# Altium PCB openservo_tessellated.PcbDoc (part 1 of 13) (continued)
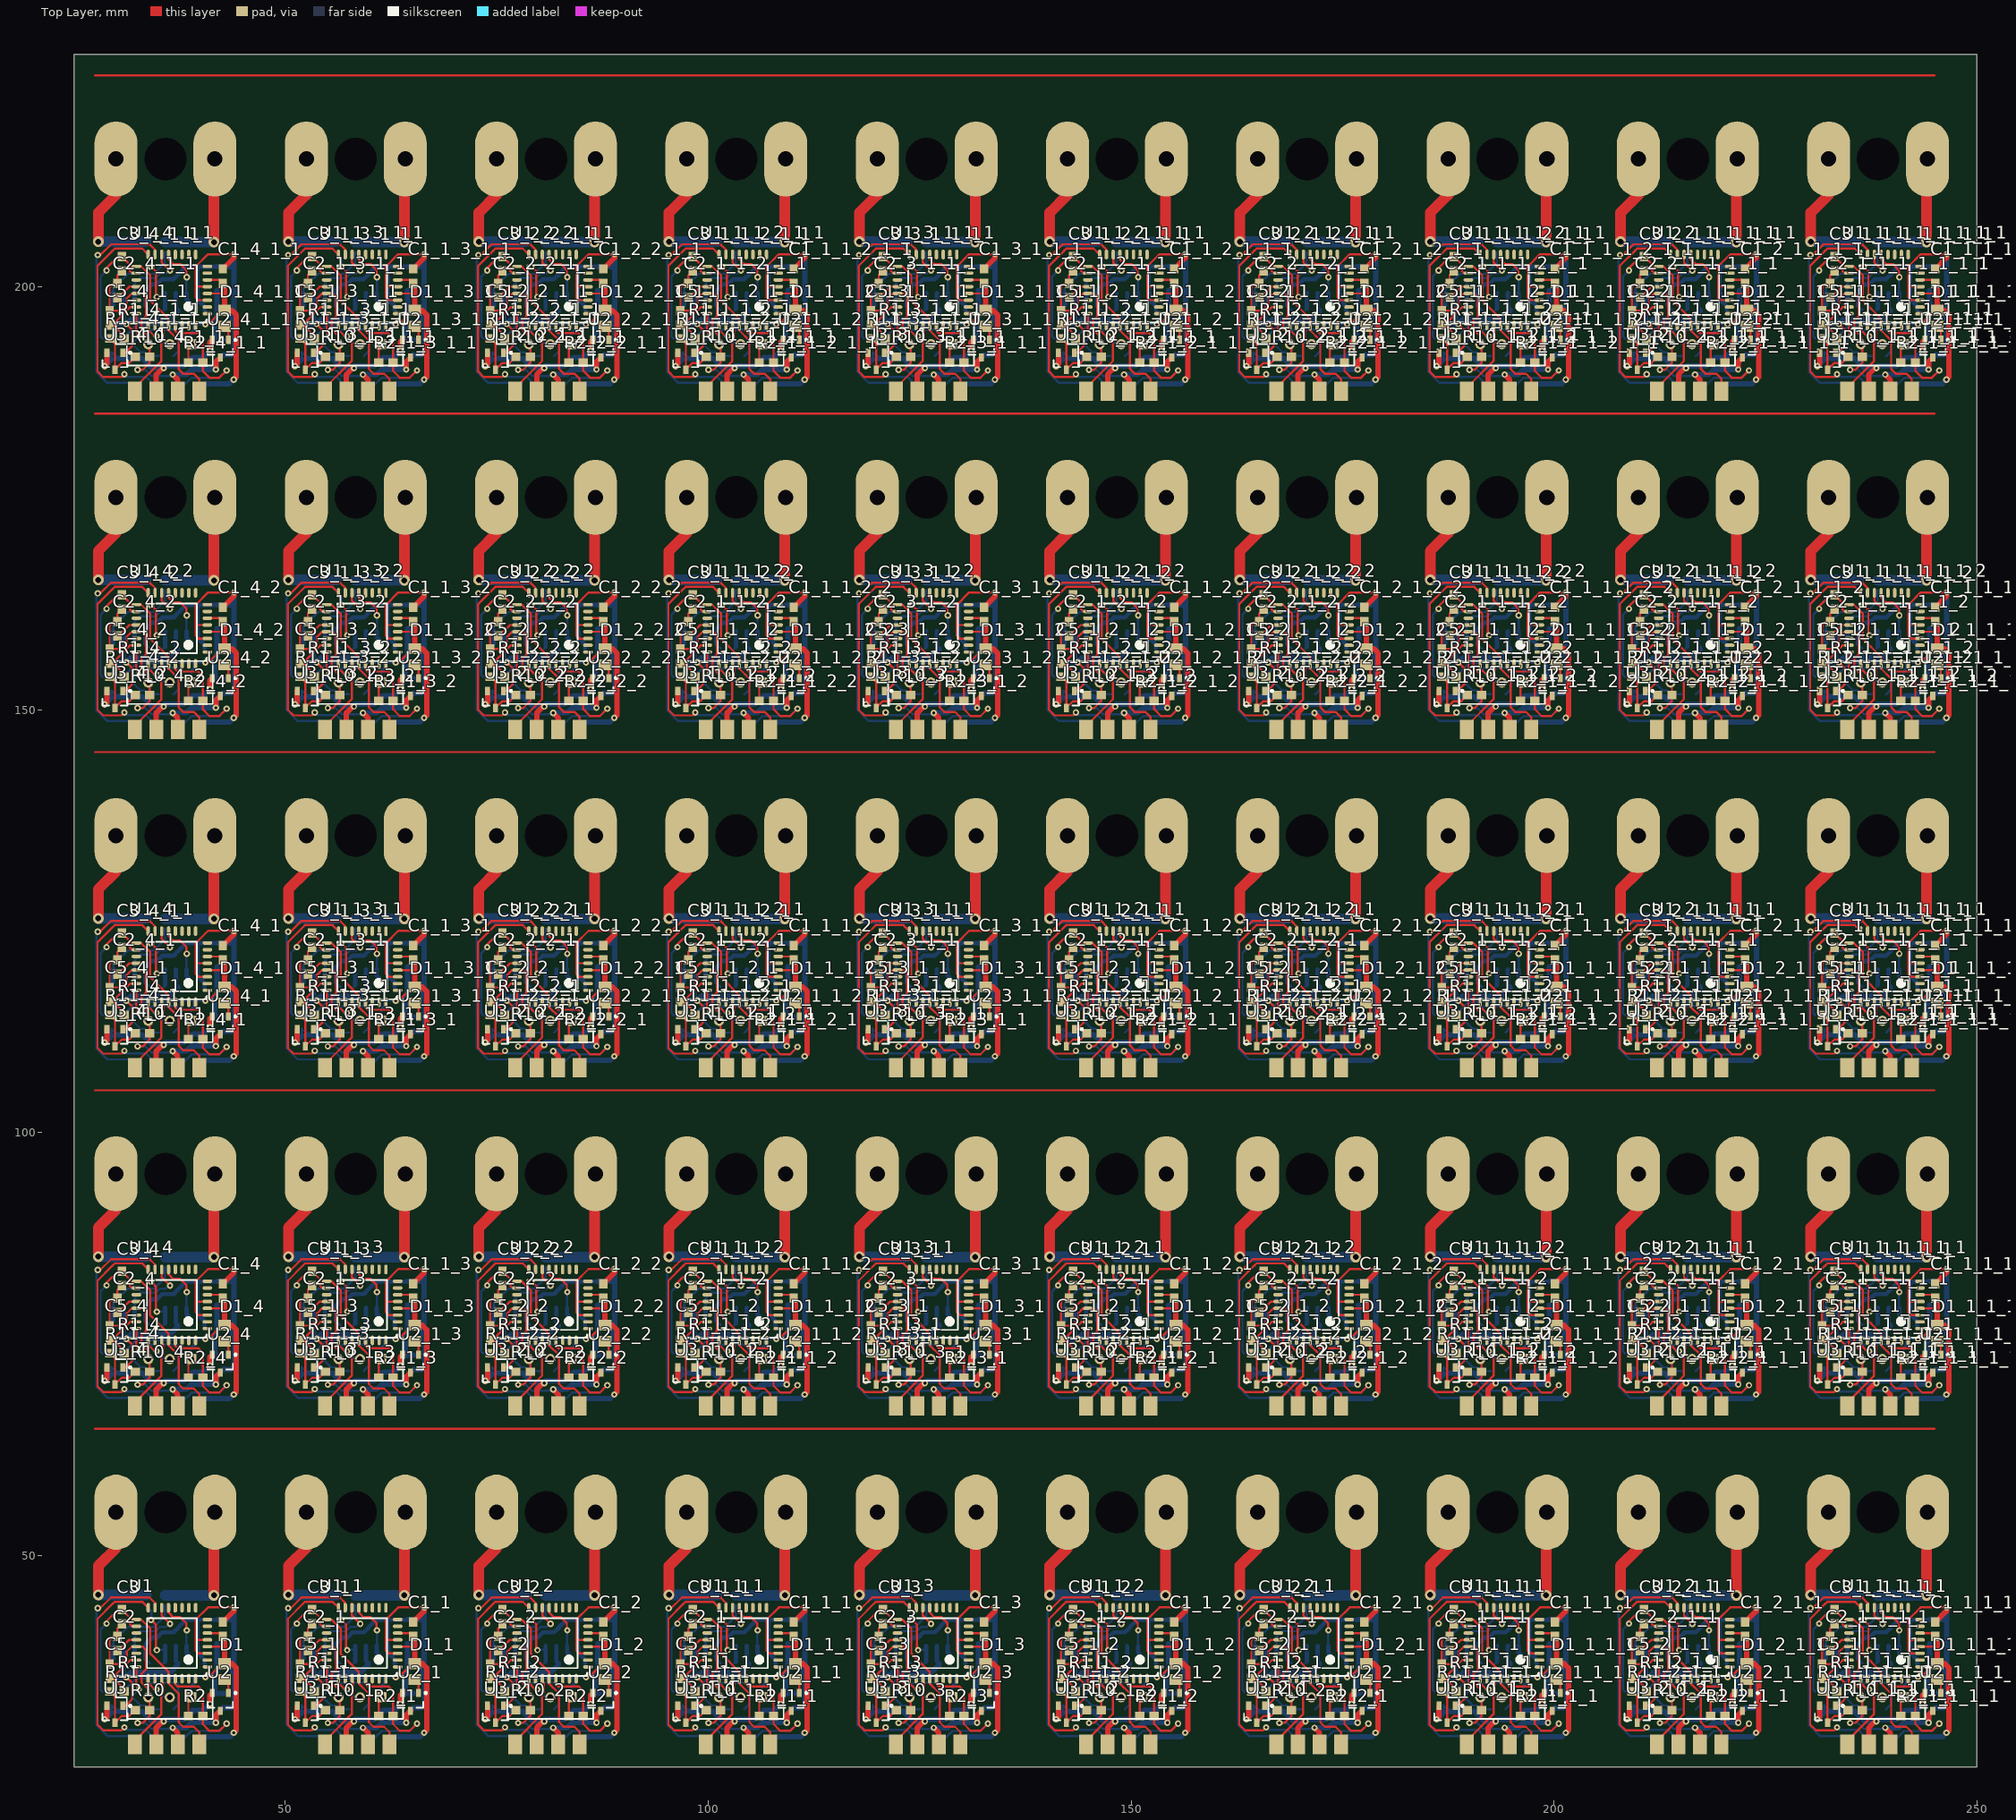
[diagram p0: Top Layer view]
## Components (designator, comment, footprint, x,y, rotation, side; value= is the part's Value field where it differs from the comment) (continued)
C4_4_1_1 "Cap" J1-0603 38.303,194.595 r180 bottom (schematic designator C4)
C4_4_2 "Cap" J1-0603 38.303,154.595 r180 bottom (schematic designator C4)
C5 "Cap" J1-0603 29.21,36.322 r90 top
C5_1 "Cap" J1-0603 51.71,36.322 r90 top (schematic designator C5)
C5_1_1 "Cap" J1-0603 96.71,36.322 r90 top (schematic designator C5)
C5_1_1_1 "Cap" J1-0603 186.71,36.322 r90 top (schematic designator C5)
C5_1_1_1_1 "Cap" J1-0603 231.71,36.322 r90 top (schematic designator C5)
C5_1_1_1_1_1 "Cap" J1-0603 231.71,76.322 r90 top (schematic designator C5)
C5_1_1_1_1_1_1 "Cap" J1-0603 231.71,116.322 r90 top (schematic designator C5)
C5_1_1_1_1_1_1_1 "Cap" J1-0603 231.71,196.322 r90 top (schematic designator C5)
C5_1_1_1_1_1_2 "Cap" J1-0603 231.71,156.322 r90 top (schematic designator C5)
C5_1_1_1_2 "Cap" J1-0603 186.71,76.322 r90 top (schematic designator C5)
C5_1_1_1_2_1 "Cap" J1-0603 186.71,116.322 r90 top (schematic designator C5)
C5_1_1_1_2_1_1 "Cap" J1-0603 186.71,196.322 r90 top (schematic designator C5)
C5_1_1_1_2_2 "Cap" J1-0603 186.71,156.322 r90 top (schematic designator C5)
C5_1_1_2 "Cap" J1-0603 96.71,76.322 r90 top (schematic designator C5)
C5_1_1_2_1 "Cap" J1-0603 96.71,116.322 r90 top (schematic designator C5)
C5_1_1_2_1_1 "Cap" J1-0603 96.71,196.322 r90 top (schematic designator C5)
C5_1_1_2_2 "Cap" J1-0603 96.71,156.322 r90 top (schematic designator C5)
C5_1_2 "Cap" J1-0603 141.71,36.322 r90 top (schematic designator C5)
C5_1_2_1 "Cap" J1-0603 141.71,76.322 r90 top (schematic designator C5)
C5_1_2_1_1 "Cap" J1-0603 141.71,116.322 r90 top (schematic designator C5)
C5_1_2_1_1_1 "Cap" J1-0603 141.71,196.322 r90 top (schematic designator C5)
C5_1_2_1_2 "Cap" J1-0603 141.71,156.322 r90 top (schematic designator C5)
C5_1_3 "Cap" J1-0603 51.71,76.322 r90 top (schematic designator C5)
C5_1_3_1 "Cap" J1-0603 51.71,116.322 r90 top (schematic designator C5)
C5_1_3_1_1 "Cap" J1-0603 51.71,196.322 r90 top (schematic designator C5)
C5_1_3_2 "Cap" J1-0603 51.71,156.322 r90 top (schematic designator C5)
C5_2 "Cap" J1-0603 74.21,36.322 r90 top (schematic designator C5)
C5_2_1 "Cap" J1-0603 164.21,36.322 r90 top (schematic designator C5)
C5_2_1_1 "Cap" J1-0603 209.21,36.322 r90 top (schematic designator C5)
C5_2_1_1_1 "Cap" J1-0603 209.21,76.322 r90 top (schematic designator C5)
C5_2_1_1_1_1 "Cap" J1-0603 209.21,116.322 r90 top (schematic designator C5)
C5_2_1_1_1_1_1 "Cap" J1-0603 209.21,196.322 r90 top (schematic designator C5)
C5_2_1_1_1_2 "Cap" J1-0603 209.21,156.322 r90 top (schematic designator C5)
C5_2_1_2 "Cap" J1-0603 164.21,76.322 r90 top (schematic designator C5)
C5_2_1_2_1 "Cap" J1-0603 164.21,116.322 r90 top (schematic designator C5)
C5_2_1_2_1_1 "Cap" J1-0603 164.21,196.322 r90 top (schematic designator C5)
C5_2_1_2_2 "Cap" J1-0603 164.21,156.322 r90 top (schematic designator C5)
C5_2_2 "Cap" J1-0603 74.21,76.322 r90 top (schematic designator C5)
C5_2_2_1 "Cap" J1-0603 74.21,116.322 r90 top (schematic designator C5)
C5_2_2_1_1 "Cap" J1-0603 74.21,196.322 r90 top (schematic designator C5)
C5_2_2_2 "Cap" J1-0603 74.21,156.322 r90 top (schematic designator C5)
C5_3 "Cap" J1-0603 119.21,36.322 r90 top (schematic designator C5)
C5_3_1 "Cap" J1-0603 119.21,76.322 r90 top (schematic designator C5)
C5_3_1_1 "Cap" J1-0603 119.21,116.322 r90 top (schematic designator C5)
C5_3_1_1_1 "Cap" J1-0603 119.21,196.322 r90 top (schematic designator C5)
C5_3_1_2 "Cap" J1-0603 119.21,156.322 r90 top (schematic designator C5)
C5_4 "Cap" J1-0603 29.21,76.322 r90 top (schematic designator C5)
C5_4_1 "Cap" J1-0603 29.21,116.322 r90 top (schematic designator C5)
C5_4_1_1 "Cap" J1-0603 29.21,196.322 r90 top (schematic designator C5)
C5_4_2 "Cap" J1-0603 29.21,156.322 r90 top (schematic designator C5)
C6 "Cap" J1-0603 42.774,36.347 r0 bottom
C6_1 "Cap" J1-0603 65.274,36.347 r0 bottom (schematic designator C6)
C6_1_1 "Cap" J1-0603 110.274,36.347 r0 bottom (schematic designator C6)
C6_1_1_1 "Cap" J1-0603 200.274,36.347 r0 bottom (schematic designator C6)
C6_1_1_1_1 "Cap" J1-0603 245.274,36.347 r0 bottom (schematic designator C6)
C6_1_1_1_1_1 "Cap" J1-0603 245.274,76.347 r0 bottom (schematic designator C6)
C6_1_1_1_1_1_1 "Cap" J1-0603 245.274,116.347 r0 bottom (schematic designator C6)
C6_1_1_1_1_1_1_1 "Cap" J1-0603 245.274,196.347 r0 bottom (schematic designator C6)
C6_1_1_1_1_1_2 "Cap" J1-0603 245.274,156.347 r0 bottom (schematic designator C6)
C6_1_1_1_2 "Cap" J1-0603 200.274,76.347 r0 bottom (schematic designator C6)
C6_1_1_1_2_1 "Cap" J1-0603 200.274,116.347 r0 bottom (schematic designator C6)
C6_1_1_1_2_1_1 "Cap" J1-0603 200.274,196.347 r0 bottom (schematic designator C6)
C6_1_1_1_2_2 "Cap" J1-0603 200.274,156.347 r0 bottom (schematic designator C6)
C6_1_1_2 "Cap" J1-0603 110.274,76.347 r0 bottom (schematic designator C6)
C6_1_1_2_1 "Cap" J1-0603 110.274,116.347 r0 bottom (schematic designator C6)
C6_1_1_2_1_1 "Cap" J1-0603 110.274,196.347 r0 bottom (schematic designator C6)
C6_1_1_2_2 "Cap" J1-0603 110.274,156.347 r0 bottom (schematic designator C6)
C6_1_2 "Cap" J1-0603 155.274,36.347 r0 bottom (schematic designator C6)
C6_1_2_1 "Cap" J1-0603 155.274,76.347 r0 bottom (schematic designator C6)
C6_1_2_1_1 "Cap" J1-0603 155.274,116.347 r0 bottom (schematic designator C6)
C6_1_2_1_1_1 "Cap" J1-0603 155.274,196.347 r0 bottom (schematic designator C6)
C6_1_2_1_2 "Cap" J1-0603 155.274,156.347 r0 bottom (schematic designator C6)
C6_1_3 "Cap" J1-0603 65.274,76.347 r0 bottom (schematic designator C6)
C6_1_3_1 "Cap" J1-0603 65.274,116.347 r0 bottom (schematic designator C6)
C6_1_3_1_1 "Cap" J1-0603 65.274,196.347 r0 bottom (schematic designator C6)
C6_1_3_2 "Cap" J1-0603 65.274,156.347 r0 bottom (schematic designator C6)
C6_2 "Cap" J1-0603 87.774,36.347 r0 bottom (schematic designator C6)
C6_2_1 "Cap" J1-0603 177.774,36.347 r0 bottom (schematic designator C6)
C6_2_1_1 "Cap" J1-0603 222.774,36.347 r0 bottom (schematic designator C6)
C6_2_1_1_1 "Cap" J1-0603 222.774,76.347 r0 bottom (schematic designator C6)
C6_2_1_1_1_1 "Cap" J1-0603 222.774,116.347 r0 bottom (schematic designator C6)
C6_2_1_1_1_1_1 "Cap" J1-0603 222.774,196.347 r0 bottom (schematic designator C6)
C6_2_1_1_1_2 "Cap" J1-0603 222.774,156.347 r0 bottom (schematic designator C6)
C6_2_1_2 "Cap" J1-0603 177.774,76.347 r0 bottom (schematic designator C6)
C6_2_1_2_1 "Cap" J1-0603 177.774,116.347 r0 bottom (schematic designator C6)
C6_2_1_2_1_1 "Cap" J1-0603 177.774,196.347 r0 bottom (schematic designator C6)
C6_2_1_2_2 "Cap" J1-0603 177.774,156.347 r0 bottom (schematic designator C6)
C6_2_2 "Cap" J1-0603 87.774,76.347 r0 bottom (schematic designator C6)
C6_2_2_1 "Cap" J1-0603 87.774,116.347 r0 bottom (schematic designator C6)
C6_2_2_1_1 "Cap" J1-0603 87.774,196.347 r0 bottom (schematic designator C6)
C6_2_2_2 "Cap" J1-0603 87.774,156.347 r0 bottom (schematic designator C6)
C6_3 "Cap" J1-0603 132.774,36.347 r0 bottom (schematic designator C6)
C6_3_1 "Cap" J1-0603 132.774,76.347 r0 bottom (schematic designator C6)
C6_3_1_1 "Cap" J1-0603 132.774,116.347 r0 bottom (schematic designator C6)
C6_3_1_1_1 "Cap" J1-0603 132.774,196.347 r0 bottom (schematic designator C6)
C6_3_1_2 "Cap" J1-0603 132.774,156.347 r0 bottom (schematic designator C6)
C6_4 "Cap" J1-0603 42.774,76.347 r0 bottom (schematic designator C6)
C6_4_1 "Cap" J1-0603 42.774,116.347 r0 bottom (schematic designator C6)
C6_4_1_1 "Cap" J1-0603 42.774,196.347 r0 bottom (schematic designator C6)
C6_4_2 "Cap" J1-0603 42.774,156.347 r0 bottom (schematic designator C6)
C7 "Cap" J1-0603 42.672,32.842 r270 bottom
C7_1 "Cap" J1-0603 65.172,32.842 r270 bottom (schematic designator C7)
C7_1_1 "Cap" J1-0603 110.172,32.842 r270 bottom (schematic designator C7)
C7_1_1_1 "Cap" J1-0603 200.172,32.842 r270 bottom (schematic designator C7)
C7_1_1_1_1 "Cap" J1-0603 245.172,32.842 r270 bottom (schematic designator C7)
C7_1_1_1_1_1 "Cap" J1-0603 245.172,72.842 r270 bottom (schematic designator C7)
C7_1_1_1_1_1_1 "Cap" J1-0603 245.172,112.842 r270 bottom (schematic designator C7)
C7_1_1_1_1_1_1_1 "Cap" J1-0603 245.172,192.842 r270 bottom (schematic designator C7)
C7_1_1_1_1_1_2 "Cap" J1-0603 245.172,152.842 r270 bottom (schematic designator C7)
C7_1_1_1_2 "Cap" J1-0603 200.172,72.842 r270 bottom (schematic designator C7)
C7_1_1_1_2_1 "Cap" J1-0603 200.172,112.842 r270 bottom (schematic designator C7)
C7_1_1_1_2_1_1 "Cap" J1-0603 200.172,192.842 r270 bottom (schematic designator C7)
C7_1_1_1_2_2 "Cap" J1-0603 200.172,152.842 r270 bottom (schematic designator C7)
C7_1_1_2 "Cap" J1-0603 110.172,72.842 r270 bottom (schematic designator C7)
C7_1_1_2_1 "Cap" J1-0603 110.172,112.842 r270 bottom (schematic designator C7)
C7_1_1_2_1_1 "Cap" J1-0603 110.172,192.842 r270 bottom (schematic designator C7)
C7_1_1_2_2 "Cap" J1-0603 110.172,152.842 r270 bottom (schematic designator C7)
C7_1_2 "Cap" J1-0603 155.172,32.842 r270 bottom (schematic designator C7)
C7_1_2_1 "Cap" J1-0603 155.172,72.842 r270 bottom (schematic designator C7)
C7_1_2_1_1 "Cap" J1-0603 155.172,112.842 r270 bottom (schematic designator C7)
C7_1_2_1_1_1 "Cap" J1-0603 155.172,192.842 r270 bottom (schematic designator C7)
C7_1_2_1_2 "Cap" J1-0603 155.172,152.842 r270 bottom (schematic designator C7)
C7_1_3 "Cap" J1-0603 65.172,72.842 r270 bottom (schematic designator C7)
C7_1_3_1 "Cap" J1-0603 65.172,112.842 r270 bottom (schematic designator C7)
C7_1_3_1_1 "Cap" J1-0603 65.172,192.842 r270 bottom (schematic designator C7)
C7_1_3_2 "Cap" J1-0603 65.172,152.842 r270 bottom (schematic designator C7)
C7_2 "Cap" J1-0603 87.672,32.842 r270 bottom (schematic designator C7)
C7_2_1 "Cap" J1-0603 177.672,32.842 r270 bottom (schematic designator C7)
C7_2_1_1 "Cap" J1-0603 222.672,32.842 r270 bottom (schematic designator C7)
C7_2_1_1_1 "Cap" J1-0603 222.672,72.842 r270 bottom (schematic designator C7)
C7_2_1_1_1_1 "Cap" J1-0603 222.672,112.842 r270 bottom (schematic designator C7)
C7_2_1_1_1_1_1 "Cap" J1-0603 222.672,192.842 r270 bottom (schematic designator C7)
C7_2_1_1_1_2 "Cap" J1-0603 222.672,152.842 r270 bottom (schematic designator C7)
C7_2_1_2 "Cap" J1-0603 177.672,72.842 r270 bottom (schematic designator C7)
C7_2_1_2_1 "Cap" J1-0603 177.672,112.842 r270 bottom (schematic designator C7)
C7_2_1_2_1_1 "Cap" J1-0603 177.672,192.842 r270 bottom (schematic designator C7)
C7_2_1_2_2 "Cap" J1-0603 177.672,152.842 r270 bottom (schematic designator C7)
C7_2_2 "Cap" J1-0603 87.672,72.842 r270 bottom (schematic designator C7)
C7_2_2_1 "Cap" J1-0603 87.672,112.842 r270 bottom (schematic designator C7)
C7_2_2_1_1 "Cap" J1-0603 87.672,192.842 r270 bottom (schematic designator C7)
C7_2_2_2 "Cap" J1-0603 87.672,152.842 r270 bottom (schematic designator C7)
C7_3 "Cap" J1-0603 132.672,32.842 r270 bottom (schematic designator C7)
C7_3_1 "Cap" J1-0603 132.672,72.842 r270 bottom (schematic designator C7)
C7_3_1_1 "Cap" J1-0603 132.672,112.842 r270 bottom (schematic designator C7)
C7_3_1_1_1 "Cap" J1-0603 132.672,192.842 r270 bottom (schematic designator C7)
C7_3_1_2 "Cap" J1-0603 132.672,152.842 r270 bottom (schematic designator C7)
C7_4 "Cap" J1-0603 42.672,72.842 r270 bottom (schematic designator C7)
C7_4_1 "Cap" J1-0603 42.672,112.842 r270 bottom (schematic designator C7)
C7_4_1_1 "Cap" J1-0603 42.672,192.842 r270 bottom (schematic designator C7)
C7_4_2 "Cap" J1-0603 42.672,152.842 r270 bottom (schematic designator C7)
C8 "Cap Semi" C1210 41.935,40.996 r270 bottom
C8_1 "Cap Semi" C1210 64.435,40.996 r270 bottom (schematic designator C8)
C8_1_1 "Cap Semi" C1210 109.435,40.996 r270 bottom (schematic designator C8)
C8_1_1_1 "Cap Semi" C1210 199.435,40.996 r270 bottom (schematic designator C8)
C8_1_1_1_1 "Cap Semi" C1210 244.435,40.996 r270 bottom (schematic designator C8)
C8_1_1_1_1_1 "Cap Semi" C1210 244.435,80.996 r270 bottom (schematic designator C8)
C8_1_1_1_1_1_1 "Cap Semi" C1210 244.435,120.996 r270 bottom (schematic designator C8)
C8_1_1_1_1_1_1_1 "Cap Semi" C1210 244.435,200.996 r270 bottom (schematic designator C8)
C8_1_1_1_1_1_2 "Cap Semi" C1210 244.435,160.996 r270 bottom (schematic designator C8)
C8_1_1_1_2 "Cap Semi" C1210 199.435,80.996 r270 bottom (schematic designator C8)
C8_1_1_1_2_1 "Cap Semi" C1210 199.435,120.996 r270 bottom (schematic designator C8)
C8_1_1_1_2_1_1 "Cap Semi" C1210 199.435,200.996 r270 bottom (schematic designator C8)
C8_1_1_1_2_2 "Cap Semi" C1210 199.435,160.996 r270 bottom (schematic designator C8)
C8_1_1_2 "Cap Semi" C1210 109.435,80.996 r270 bottom (schematic designator C8)
C8_1_1_2_1 "Cap Semi" C1210 109.435,120.996 r270 bottom (schematic designator C8)
C8_1_1_2_1_1 "Cap Semi" C1210 109.435,200.996 r270 bottom (schematic designator C8)
C8_1_1_2_2 "Cap Semi" C1210 109.435,160.996 r270 bottom (schematic designator C8)
C8_1_2 "Cap Semi" C1210 154.435,40.996 r270 bottom (schematic designator C8)
C8_1_2_1 "Cap Semi" C1210 154.435,80.996 r270 bottom (schematic designator C8)
C8_1_2_1_1 "Cap Semi" C1210 154.435,120.996 r270 bottom (schematic designator C8)
C8_1_2_1_1_1 "Cap Semi" C1210 154.435,200.996 r270 bottom (schematic designator C8)
C8_1_2_1_2 "Cap Semi" C1210 154.435,160.996 r270 bottom (schematic designator C8)
C8_1_3 "Cap Semi" C1210 64.435,80.996 r270 bottom (schematic designator C8)
C8_1_3_1 "Cap Semi" C1210 64.435,120.996 r270 bottom (schematic designator C8)
C8_1_3_1_1 "Cap Semi" C1210 64.435,200.996 r270 bottom (schematic designator C8)
C8_1_3_2 "Cap Semi" C1210 64.435,160.996 r270 bottom (schematic designator C8)
C8_2 "Cap Semi" C1210 86.935,40.996 r270 bottom (schematic designator C8)
C8_2_1 "Cap Semi" C1210 176.935,40.996 r270 bottom (schematic designator C8)
C8_2_1_1 "Cap Semi" C1210 221.935,40.996 r270 bottom (schematic designator C8)
C8_2_1_1_1 "Cap Semi" C1210 221.935,80.996 r270 bottom (schematic designator C8)
C8_2_1_1_1_1 "Cap Semi" C1210 221.935,120.996 r270 bottom (schematic designator C8)
C8_2_1_1_1_1_1 "Cap Semi" C1210 221.935,200.996 r270 bottom (schematic designator C8)
C8_2_1_1_1_2 "Cap Semi" C1210 221.935,160.996 r270 bottom (schematic designator C8)
C8_2_1_2 "Cap Semi" C1210 176.935,80.996 r270 bottom (schematic designator C8)
C8_2_1_2_1 "Cap Semi" C1210 176.935,120.996 r270 bottom (schematic designator C8)
C8_2_1_2_1_1 "Cap Semi" C1210 176.935,200.996 r270 bottom (schematic designator C8)
C8_2_1_2_2 "Cap Semi" C1210 176.935,160.996 r270 bottom (schematic designator C8)
C8_2_2 "Cap Semi" C1210 86.935,80.996 r270 bottom (schematic designator C8)
C8_2_2_1 "Cap Semi" C1210 86.935,120.996 r270 bottom (schematic designator C8)
C8_2_2_1_1 "Cap Semi" C1210 86.935,200.996 r270 bottom (schematic designator C8)
C8_2_2_2 "Cap Semi" C1210 86.935,160.996 r270 bottom (schematic designator C8)
C8_3 "Cap Semi" C1210 131.935,40.996 r270 bottom (schematic designator C8)
C8_3_1 "Cap Semi" C1210 131.935,80.996 r270 bottom (schematic designator C8)
C8_3_1_1 "Cap Semi" C1210 131.935,120.996 r270 bottom (schematic designator C8)
C8_3_1_1_1 "Cap Semi" C1210 131.935,200.996 r270 bottom (schematic designator C8)
C8_3_1_2 "Cap Semi" C1210 131.935,160.996 r270 bottom (schematic designator C8)
C8_4 "Cap Semi" C1210 41.935,80.996 r270 bottom (schematic designator C8)
C8_4_1 "Cap Semi" C1210 41.935,120.996 r270 bottom (schematic designator C8)
C8_4_1_1 "Cap Semi" C1210 41.935,200.996 r270 bottom (schematic designator C8)
C8_4_2 "Cap Semi" C1210 41.935,160.996 r270 bottom (schematic designator C8)
D1 "Diode" 2012[0805] 42.799,36.271 r90 top
D1_1 "Diode" 2012[0805] 65.299,36.271 r90 top (schematic designator D1)
D1_1_1 "Diode" 2012[0805] 110.299,36.271 r90 top (schematic designator D1)
D1_1_1_1 "Diode" 2012[0805] 200.299,36.271 r90 top (schematic designator D1)
D1_1_1_1_1 "Diode" 2012[0805] 245.299,36.271 r90 top (schematic designator D1)
D1_1_1_1_1_1 "Diode" 2012[0805] 245.299,76.271 r90 top (schematic designator D1)
D1_1_1_1_1_1_1 "Diode" 2012[0805] 245.299,116.271 r90 top (schematic designator D1)
D1_1_1_1_1_1_1_1 "Diode" 2012[0805] 245.299,196.271 r90 top (schematic designator D1)
D1_1_1_1_1_1_2 "Diode" 2012[0805] 245.299,156.271 r90 top (schematic designator D1)
D1_1_1_1_2 "Diode" 2012[0805] 200.299,76.271 r90 top (schematic designator D1)
D1_1_1_1_2_1 "Diode" 2012[0805] 200.299,116.271 r90 top (schematic designator D1)
D1_1_1_1_2_1_1 "Diode" 2012[0805] 200.299,196.271 r90 top (schematic designator D1)
D1_1_1_1_2_2 "Diode" 2012[0805] 200.299,156.271 r90 top (schematic designator D1)
D1_1_1_2 "Diode" 2012[0805] 110.299,76.271 r90 top (schematic designator D1)
D1_1_1_2_1 "Diode" 2012[0805] 110.299,116.271 r90 top (schematic designator D1)
D1_1_1_2_1_1 "Diode" 2012[0805] 110.299,196.271 r90 top (schematic designator D1)
D1_1_1_2_2 "Diode" 2012[0805] 110.299,156.271 r90 top (schematic designator D1)
D1_1_2 "Diode" 2012[0805] 155.299,36.271 r90 top (schematic designator D1)
D1_1_2_1 "Diode" 2012[0805] 155.299,76.271 r90 top (schematic designator D1)
D1_1_2_1_1 "Diode" 2012[0805] 155.299,116.271 r90 top (schematic designator D1)
D1_1_2_1_1_1 "Diode" 2012[0805] 155.299,196.271 r90 top (schematic designator D1)
D1_1_2_1_2 "Diode" 2012[0805] 155.299,156.271 r90 top (schematic designator D1)
D1_1_3 "Diode" 2012[0805] 65.299,76.271 r90 top (schematic designator D1)
D1_1_3_1 "Diode" 2012[0805] 65.299,116.271 r90 top (schematic designator D1)
D1_1_3_1_1 "Diode" 2012[0805] 65.299,196.271 r90 top (schematic designator D1)
D1_1_3_2 "Diode" 2012[0805] 65.299,156.271 r90 top (schematic designator D1)
D1_2 "Diode" 2012[0805] 87.799,36.271 r90 top (schematic designator D1)
D1_2_1 "Diode" 2012[0805] 177.799,36.271 r90 top (schematic designator D1)
D1_2_1_1 "Diode" 2012[0805] 222.799,36.271 r90 top (schematic designator D1)
D1_2_1_1_1 "Diode" 2012[0805] 222.799,76.271 r90 top (schematic designator D1)
D1_2_1_1_1_1 "Diode" 2012[0805] 222.799,116.271 r90 top (schematic designator D1)
D1_2_1_1_1_1_1 "Diode" 2012[0805] 222.799,196.271 r90 top (schematic designator D1)
D1_2_1_1_1_2 "Diode" 2012[0805] 222.799,156.271 r90 top (schematic designator D1)
D1_2_1_2 "Diode" 2012[0805] 177.799,76.271 r90 top (schematic designator D1)
D1_2_1_2_1 "Diode" 2012[0805] 177.799,116.271 r90 top (schematic designator D1)
D1_2_1_2_1_1 "Diode" 2012[0805] 177.799,196.271 r90 top (schematic designator D1)
D1_2_1_2_2 "Diode" 2012[0805] 177.799,156.271 r90 top (schematic designator D1)
D1_2_2 "Diode" 2012[0805] 87.799,76.271 r90 top (schematic designator D1)
D1_2_2_1 "Diode" 2012[0805] 87.799,116.271 r90 top (schematic designator D1)
D1_2_2_1_1 "Diode" 2012[0805] 87.799,196.271 r90 top (schematic designator D1)
D1_2_2_2 "Diode" 2012[0805] 87.799,156.271 r90 top (schematic designator D1)
D1_3 "Diode" 2012[0805] 132.799,36.271 r90 top (schematic designator D1)
D1_3_1 "Diode" 2012[0805] 132.799,76.271 r90 top (schematic designator D1)
D1_3_1_1 "Diode" 2012[0805] 132.799,116.271 r90 top (schematic designator D1)
D1_3_1_1_1 "Diode" 2012[0805] 132.799,196.271 r90 top (schematic designator D1)
D1_3_1_2 "Diode" 2012[0805] 132.799,156.271 r90 top (schematic designator D1)
D1_4 "Diode" 2012[0805] 42.799,76.271 r90 top (schematic designator D1)
D1_4_1 "Diode" 2012[0805] 42.799,116.271 r90 top (schematic designator D1)
D1_4_1_1 "Diode" 2012[0805] 42.799,196.271 r90 top (schematic designator D1)
D1_4_2 "Diode" 2012[0805] 42.799,156.271 r90 top (schematic designator D1)
Q1 "IRF7309" SO-8_N 37.668,41.707 r90 bottom
Q1_1 "IRF7309" SO-8_N 60.168,41.707 r90 bottom (schematic designator Q1)
Q1_1_1 "IRF7309" SO-8_N 105.168,41.707 r90 bottom (schematic designator Q1)
Q1_1_1_1 "IRF7309" SO-8_N 195.168,41.707 r90 bottom (schematic designator Q1)
Q1_1_1_1_1 "IRF7309" SO-8_N 240.168,41.707 r90 bottom (schematic designator Q1)
Q1_1_1_1_1_1 "IRF7309" SO-8_N 240.168,81.707 r90 bottom (schematic designator Q1)
Q1_1_1_1_1_1_1 "IRF7309" SO-8_N 240.168,121.707 r90 bottom (schematic designator Q1)
Q1_1_1_1_1_1_1_1 "IRF7309" SO-8_N 240.168,201.707 r90 bottom (schematic designator Q1)
Q1_1_1_1_1_1_2 "IRF7309" SO-8_N 240.168,161.707 r90 bottom (schematic designator Q1)
Q1_1_1_1_2 "IRF7309" SO-8_N 195.168,81.707 r90 bottom (schematic designator Q1)
Q1_1_1_1_2_1 "IRF7309" SO-8_N 195.168,121.707 r90 bottom (schematic designator Q1)
Q1_1_1_1_2_1_1 "IRF7309" SO-8_N 195.168,201.707 r90 bottom (schematic designator Q1)
Q1_1_1_1_2_2 "IRF7309" SO-8_N 195.168,161.707 r90 bottom (schematic designator Q1)
Q1_1_1_2 "IRF7309" SO-8_N 105.168,81.707 r90 bottom (schematic designator Q1)
Q1_1_1_2_1 "IRF7309" SO-8_N 105.168,121.707 r90 bottom (schematic designator Q1)
Q1_1_1_2_1_1 "IRF7309" SO-8_N 105.168,201.707 r90 bottom (schematic designator Q1)
Q1_1_1_2_2 "IRF7309" SO-8_N 105.168,161.707 r90 bottom (schematic designator Q1)
Q1_1_2 "IRF7309" SO-8_N 150.168,41.707 r90 bottom (schematic designator Q1)
Q1_1_2_1 "IRF7309" SO-8_N 150.168,81.707 r90 bottom (schematic designator Q1)
Q1_1_2_1_1 "IRF7309" SO-8_N 150.168,121.707 r90 bottom (schematic designator Q1)
Q1_1_2_1_1_1 "IRF7309" SO-8_N 150.168,201.707 r90 bottom (schematic designator Q1)
Q1_1_2_1_2 "IRF7309" SO-8_N 150.168,161.707 r90 bottom (schematic designator Q1)
Q1_1_3 "IRF7309" SO-8_N 60.168,81.707 r90 bottom (schematic designator Q1)
Q1_1_3_1 "IRF7309" SO-8_N 60.168,121.707 r90 bottom (schematic designator Q1)
Q1_1_3_1_1 "IRF7309" SO-8_N 60.168,201.707 r90 bottom (schematic designator Q1)
Q1_1_3_2 "IRF7309" SO-8_N 60.168,161.707 r90 bottom (schematic designator Q1)
Q1_2 "IRF7309" SO-8_N 82.668,41.707 r90 bottom (schematic designator Q1)
Q1_2_1 "IRF7309" SO-8_N 172.668,41.707 r90 bottom (schematic designator Q1)
Q1_2_1_1 "IRF7309" SO-8_N 217.668,41.707 r90 bottom (schematic designator Q1)
Q1_2_1_1_1 "IRF7309" SO-8_N 217.668,81.707 r90 bottom (schematic designator Q1)
Q1_2_1_1_1_1 "IRF7309" SO-8_N 217.668,121.707 r90 bottom (schematic designator Q1)
Q1_2_1_1_1_1_1 "IRF7309" SO-8_N 217.668,201.707 r90 bottom (schematic designator Q1)
Q1_2_1_1_1_2 "IRF7309" SO-8_N 217.668,161.707 r90 bottom (schematic designator Q1)
Q1_2_1_2 "IRF7309" SO-8_N 172.668,81.707 r90 bottom (schematic designator Q1)
Q1_2_1_2_1 "IRF7309" SO-8_N 172.668,121.707 r90 bottom (schematic designator Q1)
Q1_2_1_2_1_1 "IRF7309" SO-8_N 172.668,201.707 r90 bottom (schematic designator Q1)
Q1_2_1_2_2 "IRF7309" SO-8_N 172.668,161.707 r90 bottom (schematic designator Q1)
Q1_2_2 "IRF7309" SO-8_N 82.668,81.707 r90 bottom (schematic designator Q1)
Q1_2_2_1 "IRF7309" SO-8_N 82.668,121.707 r90 bottom (schematic designator Q1)
Q1_2_2_1_1 "IRF7309" SO-8_N 82.668,201.707 r90 bottom (schematic designator Q1)
Q1_2_2_2 "IRF7309" SO-8_N 82.668,161.707 r90 bottom (schematic designator Q1)
Q1_3 "IRF7309" SO-8_N 127.668,41.707 r90 bottom (schematic designator Q1)
Q1_3_1 "IRF7309" SO-8_N 127.668,81.707 r90 bottom (schematic designator Q1)
Q1_3_1_1 "IRF7309" SO-8_N 127.668,121.707 r90 bottom (schematic designator Q1)
Q1_3_1_1_1 "IRF7309" SO-8_N 127.668,201.707 r90 bottom (schematic designator Q1)
Q1_3_1_2 "IRF7309" SO-8_N 127.668,161.707 r90 bottom (schematic designator Q1)
Q1_4 "IRF7309" SO-8_N 37.668,81.707 r90 bottom (schematic designator Q1)
Q1_4_1 "IRF7309" SO-8_N 37.668,121.707 r90 bottom (schematic designator Q1)
Q1_4_1_1 "IRF7309" SO-8_N 37.668,201.707 r90 bottom (schematic designator Q1)
Q1_4_2 "IRF7309" SO-8_N 37.668,161.707 r90 bottom (schematic designator Q1)
Q2 "IRF7309" SO-8_N 31.547,41.732 r90 bottom
Q2_1 "IRF7309" SO-8_N 54.047,41.732 r90 bottom (schematic designator Q2)
Q2_1_1 "IRF7309" SO-8_N 99.047,41.732 r90 bottom (schematic designator Q2)
Q2_1_1_1 "IRF7309" SO-8_N 189.047,41.732 r90 bottom (schematic designator Q2)
Q2_1_1_1_1 "IRF7309" SO-8_N 234.047,41.732 r90 bottom (schematic designator Q2)
Q2_1_1_1_1_1 "IRF7309" SO-8_N 234.047,81.732 r90 bottom (schematic designator Q2)
Q2_1_1_1_1_1_1 "IRF7309" SO-8_N 234.047,121.732 r90 bottom (schematic designator Q2)
Q2_1_1_1_1_1_1_1 "IRF7309" SO-8_N 234.047,201.732 r90 bottom (schematic designator Q2)
Q2_1_1_1_1_1_2 "IRF7309" SO-8_N 234.047,161.732 r90 bottom (schematic designator Q2)
Q2_1_1_1_2 "IRF7309" SO-8_N 189.047,81.732 r90 bottom (schematic designator Q2)
Q2_1_1_1_2_1 "IRF7309" SO-8_N 189.047,121.732 r90 bottom (schematic designator Q2)
Q2_1_1_1_2_1_1 "IRF7309" SO-8_N 189.047,201.732 r90 bottom (schematic designator Q2)
Q2_1_1_1_2_2 "IRF7309" SO-8_N 189.047,161.732 r90 bottom (schematic designator Q2)
Q2_1_1_2 "IRF7309" SO-8_N 99.047,81.732 r90 bottom (schematic designator Q2)
Q2_1_1_2_1 "IRF7309" SO-8_N 99.047,121.732 r90 bottom (schematic designator Q2)
Q2_1_1_2_1_1 "IRF7309" SO-8_N 99.047,201.732 r90 bottom (schematic designator Q2)
Q2_1_1_2_2 "IRF7309" SO-8_N 99.047,161.732 r90 bottom (schematic designator Q2)
Q2_1_2 "IRF7309" SO-8_N 144.047,41.732 r90 bottom (schematic designator Q2)
Q2_1_2_1 "IRF7309" SO-8_N 144.047,81.732 r90 bottom (schematic designator Q2)
Q2_1_2_1_1 "IRF7309" SO-8_N 144.047,121.732 r90 bottom (schematic designator Q2)
Q2_1_2_1_1_1 "IRF7309" SO-8_N 144.047,201.732 r90 bottom (schematic designator Q2)
Q2_1_2_1_2 "IRF7309" SO-8_N 144.047,161.732 r90 bottom (schematic designator Q2)
Q2_1_3 "IRF7309" SO-8_N 54.047,81.732 r90 bottom (schematic designator Q2)
Q2_1_3_1 "IRF7309" SO-8_N 54.047,121.732 r90 bottom (schematic designator Q2)
Q2_1_3_1_1 "IRF7309" SO-8_N 54.047,201.732 r90 bottom (schematic designator Q2)
Q2_1_3_2 "IRF7309" SO-8_N 54.047,161.732 r90 bottom (schematic designator Q2)
Q2_2 "IRF7309" SO-8_N 76.547,41.732 r90 bottom (schematic designator Q2)
Q2_2_1 "IRF7309" SO-8_N 166.547,41.732 r90 bottom (schematic designator Q2)
Q2_2_1_1 "IRF7309" SO-8_N 211.547,41.732 r90 bottom (schematic designator Q2)
Q2_2_1_1_1 "IRF7309" SO-8_N 211.547,81.732 r90 bottom (schematic designator Q2)
Q2_2_1_1_1_1 "IRF7309" SO-8_N 211.547,121.732 r90 bottom (schematic designator Q2)
Q2_2_1_1_1_1_1 "IRF7309" SO-8_N 211.547,201.732 r90 bottom (schematic designator Q2)
Q2_2_1_1_1_2 "IRF7309" SO-8_N 211.547,161.732 r90 bottom (schematic designator Q2)
Q2_2_1_2 "IRF7309" SO-8_N 166.547,81.732 r90 bottom (schematic designator Q2)
Q2_2_1_2_1 "IRF7309" SO-8_N 166.547,121.732 r90 bottom (schematic designator Q2)
Q2_2_1_2_1_1 "IRF7309" SO-8_N 166.547,201.732 r90 bottom (schematic designator Q2)
Q2_2_1_2_2 "IRF7309" SO-8_N 166.547,161.732 r90 bottom (schematic designator Q2)
Q2_2_2 "IRF7309" SO-8_N 76.547,81.732 r90 bottom (schematic designator Q2)
Q2_2_2_1 "IRF7309" SO-8_N 76.547,121.732 r90 bottom (schematic designator Q2)
Q2_2_2_1_1 "IRF7309" SO-8_N 76.547,201.732 r90 bottom (schematic designator Q2)
Q2_2_2_2 "IRF7309" SO-8_N 76.547,161.732 r90 bottom (schematic designator Q2)
Q2_3 "IRF7309" SO-8_N 121.547,41.732 r90 bottom (schematic designator Q2)
Q2_3_1 "IRF7309" SO-8_N 121.547,81.732 r90 bottom (schematic designator Q2)
Q2_3_1_1 "IRF7309" SO-8_N 121.547,121.732 r90 bottom (schematic designator Q2)
Q2_3_1_1_1 "IRF7309" SO-8_N 121.547,201.732 r90 bottom (schematic designator Q2)
Q2_3_1_2 "IRF7309" SO-8_N 121.547,161.732 r90 bottom (schematic designator Q2)
Q2_4 "IRF7309" SO-8_N 31.547,81.732 r90 bottom (schematic designator Q2)
Q2_4_1 "IRF7309" SO-8_N 31.547,121.732 r90 bottom (schematic designator Q2)
Q2_4_1_1 "IRF7309" SO-8_N 31.547,201.732 r90 bottom (schematic designator Q2)
Q2_4_2 "IRF7309" SO-8_N 31.547,161.732 r90 bottom (schematic designator Q2)
R1 "RPot" VR5 36.322,33.223 r180 top
R1_1 "RPot" VR5 58.822,33.223 r180 top (schematic designator R1)
R1_1_1 "RPot" VR5 103.822,33.223 r180 top (schematic designator R1)
R1_1_1_1 "RPot" VR5 193.822,33.223 r180 top (schematic designator R1)
R1_1_1_1_1 "RPot" VR5 238.822,33.223 r180 top (schematic designator R1)
R1_1_1_1_1_1 "RPot" VR5 238.822,73.223 r180 top (schematic designator R1)
R1_1_1_1_1_1_1 "RPot" VR5 238.822,113.223 r180 top (schematic designator R1)
R1_1_1_1_1_1_1_1 "RPot" VR5 238.822,193.223 r180 top (schematic designator R1)
R1_1_1_1_1_1_2 "RPot" VR5 238.822,153.223 r180 top (schematic designator R1)
R1_1_1_1_2 "RPot" VR5 193.822,73.223 r180 top (schematic designator R1)
R1_1_1_1_2_1 "RPot" VR5 193.822,113.223 r180 top (schematic designator R1)
R1_1_1_1_2_1_1 "RPot" VR5 193.822,193.223 r180 top (schematic designator R1)
R1_1_1_1_2_2 "RPot" VR5 193.822,153.223 r180 top (schematic designator R1)
R1_1_1_2 "RPot" VR5 103.822,73.223 r180 top (schematic designator R1)
R1_1_1_2_1 "RPot" VR5 103.822,113.223 r180 top (schematic designator R1)
R1_1_1_2_1_1 "RPot" VR5 103.822,193.223 r180 top (schematic designator R1)
R1_1_1_2_2 "RPot" VR5 103.822,153.223 r180 top (schematic designator R1)
R1_1_2 "RPot" VR5 148.822,33.223 r180 top (schematic designator R1)
R1_1_2_1 "RPot" VR5 148.822,73.223 r180 top (schematic designator R1)
R1_1_2_1_1 "RPot" VR5 148.822,113.223 r180 top (schematic designator R1)
R1_1_2_1_1_1 "RPot" VR5 148.822,193.223 r180 top (schematic designator R1)
R1_1_2_1_2 "RPot" VR5 148.822,153.223 r180 top (schematic designator R1)
R1_1_3 "RPot" VR5 58.822,73.223 r180 top (schematic designator R1)
R1_1_3_1 "RPot" VR5 58.822,113.223 r180 top (schematic designator R1)
R1_1_3_1_1 "RPot" VR5 58.822,193.223 r180 top (schematic designator R1)
R1_1_3_2 "RPot" VR5 58.822,153.223 r180 top (schematic designator R1)
R1_2 "RPot" VR5 81.322,33.223 r180 top (schematic designator R1)
R1_2_1 "RPot" VR5 171.322,33.223 r180 top (schematic designator R1)
R1_2_1_1 "RPot" VR5 216.322,33.223 r180 top (schematic designator R1)
R1_2_1_1_1 "RPot" VR5 216.322,73.223 r180 top (schematic designator R1)
R1_2_1_1_1_1 "RPot" VR5 216.322,113.223 r180 top (schematic designator R1)
R1_2_1_1_1_1_1 "RPot" VR5 216.322,193.223 r180 top (schematic designator R1)
R1_2_1_1_1_2 "RPot" VR5 216.322,153.223 r180 top (schematic designator R1)
R1_2_1_2 "RPot" VR5 171.322,73.223 r180 top (schematic designator R1)
R1_2_1_2_1 "RPot" VR5 171.322,113.223 r180 top (schematic designator R1)
R1_2_1_2_1_1 "RPot" VR5 171.322,193.223 r180 top (schematic designator R1)
R1_2_1_2_2 "RPot" VR5 171.322,153.223 r180 top (schematic designator R1)
R1_2_2 "RPot" VR5 81.322,73.223 r180 top (schematic designator R1)
R1_2_2_1 "RPot" VR5 81.322,113.223 r180 top (schematic designator R1)
R1_2_2_1_1 "RPot" VR5 81.322,193.223 r180 top (schematic designator R1)
R1_2_2_2 "RPot" VR5 81.322,153.223 r180 top (schematic designator R1)
R1_3 "RPot" VR5 126.322,33.223 r180 top (schematic designator R1)
R1_3_1 "RPot" VR5 126.322,73.223 r180 top (schematic designator R1)
R1_3_1_1 "RPot" VR5 126.322,113.223 r180 top (schematic designator R1)
R1_3_1_1_1 "RPot" VR5 126.322,193.223 r180 top (schematic designator R1)
R1_3_1_2 "RPot" VR5 126.322,153.223 r180 top (schematic designator R1)
R1_4 "RPot" VR5 36.322,73.223 r180 top (schematic designator R1)
R1_4_1 "RPot" VR5 36.322,113.223 r180 top (schematic designator R1)
R1_4_1_1 "RPot" VR5 36.322,193.223 r180 top (schematic designator R1)
R1_4_2 "RPot" VR5 36.322,153.223 r180 top (schematic designator R1)
R2 "Res Semi" 1608[0603] 39.37,31.039 r180 top
R2_1 "Res Semi" 1608[0603] 61.87,31.039 r180 top (schematic designator R2)
R2_1_1 "Res Semi" 1608[0603] 106.87,31.039 r180 top (schematic designator R2)
R2_1_1_1 "Res Semi" 1608[0603] 196.87,31.039 r180 top (schematic designator R2)
R2_1_1_1_1 "Res Semi" 1608[0603] 241.87,31.039 r180 top (schematic designator R2)
R2_1_1_1_1_1 "Res Semi" 1608[0603] 241.87,71.039 r180 top (schematic designator R2)
R2_1_1_1_1_1_1 "Res Semi" 1608[0603] 241.87,111.039 r180 top (schematic designator R2)
R2_1_1_1_1_1_1_1 "Res Semi" 1608[0603] 241.87,191.039 r180 top (schematic designator R2)
R2_1_1_1_1_1_2 "Res Semi" 1608[0603] 241.87,151.039 r180 top (schematic designator R2)
R2_1_1_1_2 "Res Semi" 1608[0603] 196.87,71.039 r180 top (schematic designator R2)
R2_1_1_1_2_1 "Res Semi" 1608[0603] 196.87,111.039 r180 top (schematic designator R2)
R2_1_1_1_2_1_1 "Res Semi" 1608[0603] 196.87,191.039 r180 top (schematic designator R2)
R2_1_1_1_2_2 "Res Semi" 1608[0603] 196.87,151.039 r180 top (schematic designator R2)
R2_1_1_2 "Res Semi" 1608[0603] 106.87,71.039 r180 top (schematic designator R2)
R2_1_1_2_1 "Res Semi" 1608[0603] 106.87,111.039 r180 top (schematic designator R2)
R2_1_1_2_1_1 "Res Semi" 1608[0603] 106.87,191.039 r180 top (schematic designator R2)
R2_1_1_2_2 "Res Semi" 1608[0603] 106.87,151.039 r180 top (schematic designator R2)
R2_1_2 "Res Semi" 1608[0603] 151.87,31.039 r180 top (schematic designator R2)
R2_1_2_1 "Res Semi" 1608[0603] 151.87,71.039 r180 top (schematic designator R2)
R2_1_2_1_1 "Res Semi" 1608[0603] 151.87,111.039 r180 top (schematic designator R2)
R2_1_2_1_1_1 "Res Semi" 1608[0603] 151.87,191.039 r180 top (schematic designator R2)
R2_1_2_1_2 "Res Semi" 1608[0603] 151.87,151.039 r180 top (schematic designator R2)
R2_1_3 "Res Semi" 1608[0603] 61.87,71.039 r180 top (schematic designator R2)
R2_1_3_1 "Res Semi" 1608[0603] 61.87,111.039 r180 top (schematic designator R2)
R2_1_3_1_1 "Res Semi" 1608[0603] 61.87,191.039 r180 top (schematic designator R2)